# Altium PCB Video_Processing_Board.PcbDoc (part 3 of 3)
Units mm, origin at the board's own origin, x right, y up, seen from the top; angles counter-clockwise.
Board outline 40.63 x 59.74 mm, 6 copper layers (L1[SIG], L2[GND], L3[SIG], L4[PWR], L5[GND], L6[SIG]), stack 1.559 mm thick; 308 components, 259 nets, 1353 pads, 4 vias.
Unrouted connection lines stored in the file: 775.
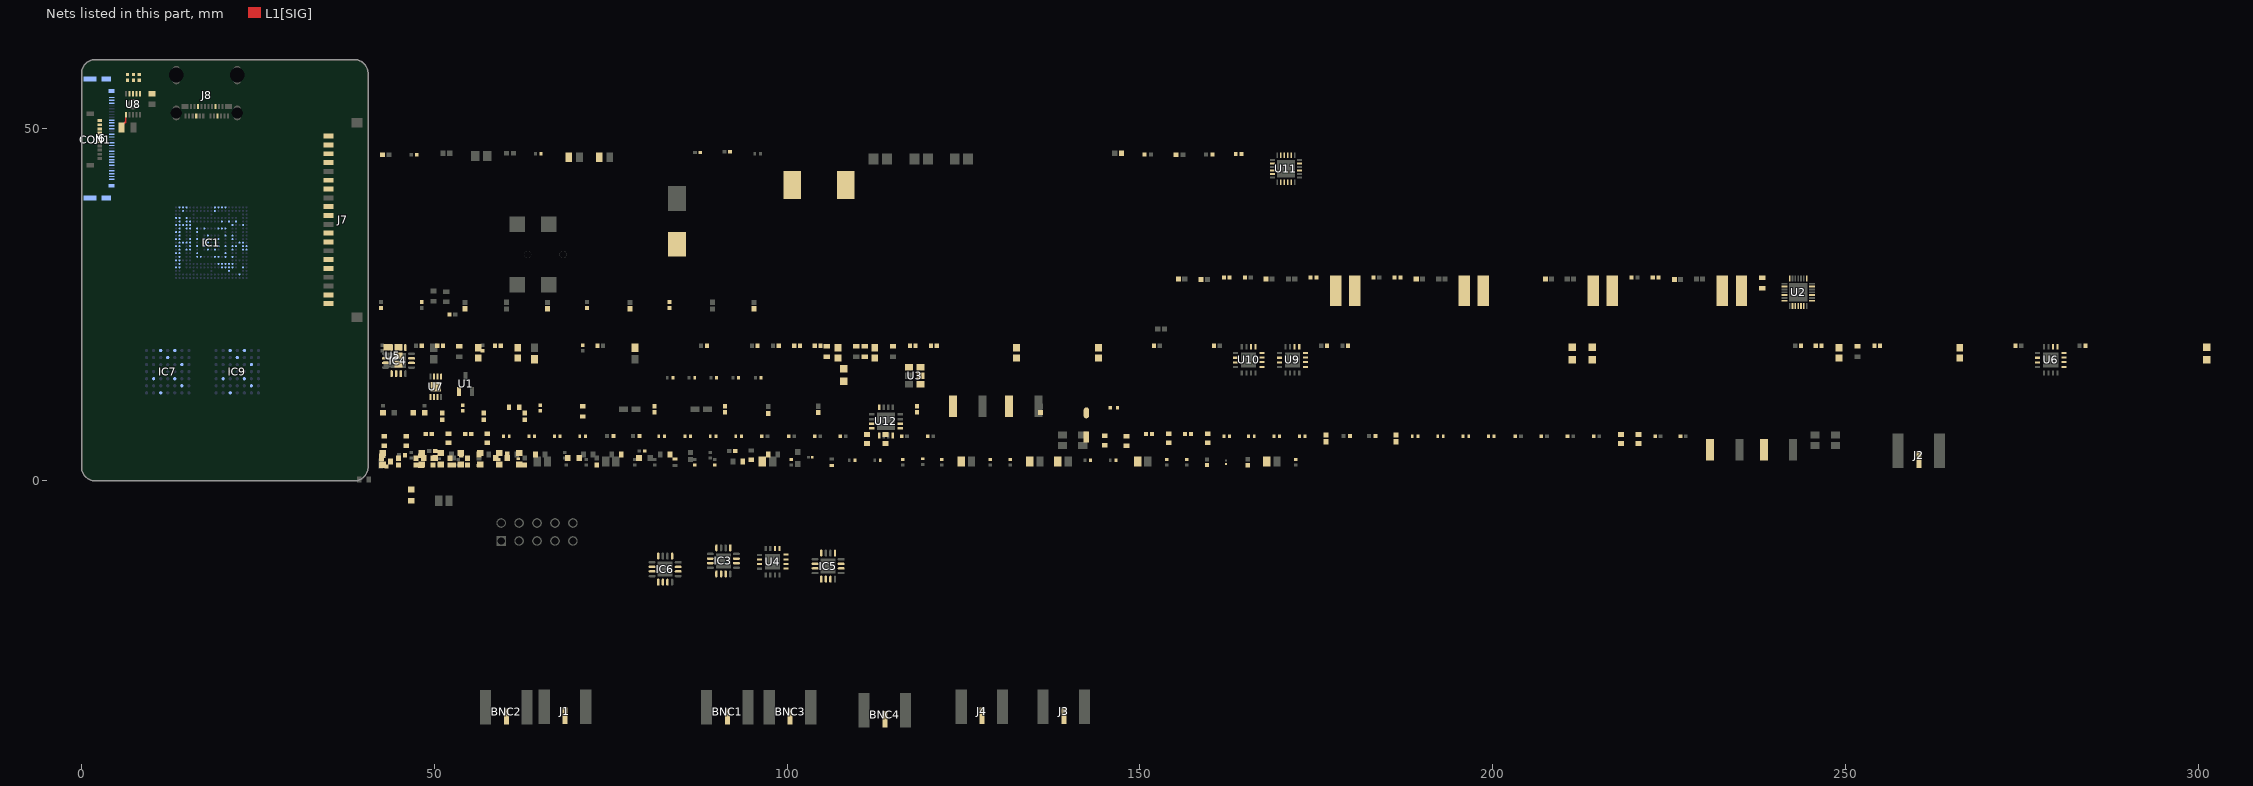
[diagram p3: the nets of this part, all layers, seen from the top]

## Via types
v1: diameter 0.6, hole 0.3, L1[SIG] to L6[SIG], 4 vias

## Nets (pads, with @x,y where several pads share a name; then routed paths per layer and width w, separated by ;. In a path a pad name is that pad's centre, name@x,y a point inside that pad or via, vN(x,y) a via of type N, cw(c..) or ccw(c..) an arc to the next point about the centre after c; other vN are vias at no path point) (continued)
LED2: D6.2 IC1.F2
LFI0: R25.1
LFI1: R38.1
LFI2: R28.1
LFI3: R40.1
LFO0: U4.14
LFO1: U10.14
LFO2: U6.14
LFO3: U9.14
LVDS0_CLK_148_5MHZ_N: IC1.L17 R17.2 U5.5
LVDS0_CLK_148_5MHZ_P: IC1.L18 R17.1 U5.4
LVDS0_CLK_212_5MHZ_N: IC1.N17 R13.2 U3.5
LVDS0_CLK_212_5MHZ_P: IC1.N18 R13.1 U3.4
LVDS_CH0_N: IC1.V8 J7.5
LVDS_CH0_P: IC1.U8 J7.6
LVDS_CH1_N: IC1.W6 J7.8
LVDS_CH1_P: IC1.V6 J7.9
LVDS_CH2_N: IC1.U9 J7.11
LVDS_CH2_P: IC1.R9 J7.12
LVDS_CH3_N: IC1.U5 J7.17
LVDS_CH3_P: IC1.V5 J7.18
LVDS_CK_N: IC1.U7 J7.14
LVDS_CK_P: IC1.V7 J7.15
MCP2221_UART1_RXD: IC1.K5 R83.2 U12.4
MCP2221_UART1_TXD: IC1.J5 R82.2 U12.5
MGTAVTT1V2: L9.2 L13.2 L17.2 L18.2
MIPI_C_N: IC1.A19 J6.7
MIPI_C_P: IC1.A18 J6.6
MIPI_D0_N: IC1.G18 J6.9
MIPI_D0_P: IC1.G17 J6.8
MIPI_D1_N: IC1.D18 J6.4
MIPI_D1_P: IC1.E17 J6.3
MIPI_D2_N: IC1.B19 J6.11
MIPI_D2_P: IC1.A20 J6.10
MIPI_D3_N: IC1.F18 J6.2
MIPI_D3_P: IC1.E18 J6.1
MODE: J7.19
NetBNC1_1: BNC1.1 C27.1 FB1.1 FB3.1
NetBNC2_1: BNC2.1 C43.1 FB5.1 FB6.1
NetBNC3_1: BNC3.1 C29.1 FB2.1 FB4.1
NetBNC4_1: BNC4.1 C45.1 FB7.1 FB8.1
NetC17_1: C17.1 J1.1
NetC17_2: C17.2 U4.11
NetC18_1: C18.1 R16.2
NetC18_2: C18.2 U4.10
NetC21_1: C21.1 R18.2
NetC22_1: C22.1 R19.2
NetC27_2: C27.2 R20.1
NetC28_1: C28.1 IC3.11
NetC28_2: C28.2 IC1.F21
NetC29_2: C29.2 R24.1
NetC30_1: C30.1 IC5.11
NetC30_2: C30.2 IC1.P20
NetC31_1: C31.1 R21.2
NetC31_2: C31.2 R23.1
NetC32_1: C32.1 IC3.10
NetC32_2: C32.2 IC1.F20
NetC33_1: C33.1 R22.2
NetC33_2: C33.2 R26.1
NetC34_1: C34.1 IC5.10
NetC34_2: C34.2 IC1.P21
NetC37_1: C37.1 R32.2
NetC38_1: C38.1 R33.2
NetC43_2: C43.2 R27.1
NetC44_1: C44.1 IC4.11
NetC44_2: C44.2 IC1.H20
NetC45_2: C45.2 R29.1
NetC46_1: C46.1 IC6.11
NetC46_2: C46.2 IC1.T21
NetC47_1: C47.1 R35.2
NetC47_2: C47.2 R30.1
NetC48_1: C48.1 IC4.10
NetC48_2: C48.2 IC1.H21
NetC49_1: C49.1 R37.2
NetC49_2: C49.2 R31.1
NetC50_1: C50.1 IC6.10
NetC50_2: C50.2 IC1.T20
NetC51_1: C51.1 U4.3
NetC51_2: C51.2 IC1.D20
NetC52_1: C52.1 U4.2
NetC52_2: C52.2 IC1.D21
NetC59_1: C59.1 J2.1
NetC59_2: C59.2 U6.11
NetC60_1: C60.1 U6.3
NetC60_2: C60.2 IC1.K20
NetC61_1: C61.1 R39.2
NetC61_2: C61.2 U6.10
NetC62_1: C62.1 U6.2
NetC62_2: C62.2 IC1.K21
NetC74_1: C74.1 J3.1
NetC74_2: C74.2 U9.11
NetC75_1: C75.1 J4.1
NetC75_2: C75.2 U10.11
NetC76_1: C76.1 U9.3
NetC76_2: C76.2 IC1.V21
NetC77_1: C77.1 U10.3
NetC77_2: C77.2 IC1.M20
NetC78_1: C78.1 R47.2
NetC78_2: C78.2 U9.10
NetC79_1: C79.1 R48.2
NetC79_2: C79.2 U10.10
NetC80_1: C80.1 U9.2
NetC80_2: C80.2 IC1.V20
NetC81_1: C81.1 U10.2
NetC81_2: C81.2 IC1.M21
NetC84_1: C84.1 U11.15
NetC84_2: C84.2 R64.2
NetC85_2: C85.2 R67.1 U11.2
NetC124_1: C124.1 C125.1 C126.2
NetC142_1: C142.1 R71.2 U11.17
NetD1_1: D1.1 R72.1
NetD2_1: D2.1 R73.1
NetD3_1: D3.1 R74.1
NetD4_1: D4.1 R75.1
NetD5_1: D5.1 R76.1
NetD6_1: D6.1 R77.1 R78.1
NetD7_2: D7.2 F1.1
NetD10_1: D10.1 R82.1
NetD11_1: D11.1 R83.1
NetFB1_2: FB1.2 FB3.2 L5.1 R18.1
NetFB2_2: FB2.2 FB4.2 L6.1 R19.1
NetFB5_2: FB5.2 FB6.2 L7.1 R32.1
NetFB7_2: FB7.2 FB8.2 L8.1 R33.1
NetIC1_A9: IC1.A9 R12.1 R36.2
NetIC1_A10: IC1.A10 R5.1 R42.2
NetIC1_E8: IC1.E8 R41.2
NetIC1_N2: IC1.N2 IC1.R5 IC1.U6 IC1.V2 IC1.Y3 R58.2
NetIC3_2: IC3.2 R20.2
NetIC3_3: IC3.3 R23.2
NetIC3_5: IC3.5 R25.2
NetIC3_6: IC3.6 RAMP0.2
NetIC3_7: IC3.7 RISE0.2
NetIC4_2: IC4.2 R27.2
NetIC4_3: IC4.3 R30.2
NetIC4_5: IC4.5 R38.2
NetIC4_6: IC4.6 RAMP1.2
NetIC4_7: IC4.7 RISE1.2
NetIC5_2: IC5.2 R24.2
NetIC5_3: IC5.3 R26.2
NetIC5_5: IC5.5 R28.2
NetIC5_6: IC5.6 RAMP2.2
NetIC5_7: IC5.7 RISE2.2
NetIC6_2: IC6.2 R29.2
NetIC6_3: IC6.3 R31.2
NetIC6_5: IC6.5 R40.2
NetIC6_6: IC6.6 RAMP3.2
NetIC6_7: IC6.7 RISE3.2
NetJ6_P1: J6.P1 J6.P2 J6.P3 J6.P4 J6.P5 J6.P6
NetL1_1: L1.1 U2.2
NetL2_1: L2.1 U2.5
NetL3_1: L3.1 U2.17
NetL4_1: L4.1 U2.20
NetL10_1: L10.1 U11.8 U11.9 U11.10 U11.11 U11.20 U11.21 U11.22 U11.23
NetR1_1: R1.1 U2.9
NetR2_1: R2.1 R3.1 U2.28
NetR6_1: R6.1 R7.1 U2.15
NetR8_1: R8.1 R9.1 U2.22
NetR10_1: R10.1 R11.1 U2.11
NetR14_2: R14.2 U3.1
NetR15_2: R15.2 U1.1
NetR34_2: R34.2 U5.1
NetR44_1: R44.1 U7.7
NetR45_1: R45.1 U7.3
NetR50_2: R50.2 U7.9
NetR55_1: R55.1 R56.1 U2.7
NetR57_1: R57.1 U8.7
NetR60_1: R60.1 U8.6
NetR65_1: R65.1 U11.5
NetR66_1: R66.1 U11.4
NetR79_1: R79.1 U12.3
NetR80_2: R80.2 U12.9
NetR81_2: R81.2 U12.8
POWER_OUT: CON1.5 CON1.6
SC: J7.20
SC_SPI_CS#: IC1.A7 R46.1 U7.1
SC_SPI_SCK: IC1.G9 R49.2 U7.6
SC_SPI_SDI: IC1.B10 U7.2
SC_SPI_SDO: IC1.A8 U7.5
SCL_SPARE_3.3V: IC1.M5 J6.22
SDA_SPARE_3.3V: IC1.N5 J6.21
Sense1+: C86.1 CON1.1 CON1.2 CON1.3 CON1.4 D7.1 R54.1 U8.1 | length 2
  L1[SIG] w0.2: R54.1@5.7,50.1 5.7,50.35 6.24,50.89 6.24,51.2 6.3,51.26 U8.1@6.3,51.9
Spare_GPIO_3.3V_1: IC1.N1 J6.13
Spare_GPIO_3.3V_2: IC1.M1 J6.14
Spare_GPIO_3.3V_3: IC1.M2 J6.16
Spare_GPIO_3.3V_4: IC1.L2 J6.17
Spare_GPIO_3.3V_5: IC1.M4 J6.19
Spare_GPIO_3.3V_6: IC1.L3 J6.20
VBUS: F1.2 J8.A4 J8.A9 J8.B4 J8.B9
VCC1V0: C88.2 C89.2 C90.2 C91.2 C92.2 C93.1 C107.2 C108.1 C109.1 C110.1 C111.1 C136.2 C138.2 C139.1 C140.1 IC1.G20 IC1.H15 IC1.J12 IC1.J20 IC1.K9 IC1.K11 IC1.K13 IC1.K15 IC1.L10 IC1.L12 IC1.M11 IC1.M13 IC1.M15 IC1.N10 IC1.N12 IC1.N20 IC1.R20 IC1.U20 L10.2 R68.2
VCC1V2: C7.1 C16.1 C23.1 C24.1 C25.1 C26.1 C39.1 C40.1 C41.1 C42.1 C53.2 C58.1 C63.2 C67.1 C72.1 C73.1 C82.2 C83.2 IC3.13 IC3.16 IC4.13 IC4.16 IC5.13 IC5.16 IC6.13 IC6.16 L3.2 L9.1 L13.1 L17.1 L18.1 R6.2 RAMP0.1 RAMP1.1 RAMP2.1 RAMP3.1 RISE0.1 RISE1.1 RISE2.1 RISE3.1 U4.9 U4.12 U6.9 U6.12 U9.9 U9.12 U10.9 U10.12
VCC1V8: C9.1 C69.1 C94.2 C95.2 C96.1 C97.1 D4.2 IC1.P7 IC1.P15 IC1.R10 IC1.R14 IC7.B5 IC7.C1 IC7.C7 IC7.D2 IC7.E1 IC7.E5 IC7.F3 IC7.F6 IC9.B5 IC9.C1 IC9.C7 IC9.D2 IC9.E1 IC9.E5 IC9.F3 IC9.F6 L4.2 R8.2
VCC2V5: C5.1 C66.1 C98.2 C99.2 C100.2 C101.2 C102.2 C103.1 C104.2 C105.2 C106.1 C112.2 C113.2 C114.1 D3.2 IC1.E6 IC1.F17 IC1.G7 IC1.G8 IC1.G13 IC1.G15 IC1.L19 IC1.L20 IC1.M9 IC1.R7 IC1.R15 L2.2 R55.2
VCC2V5_0.25A: C11.1 R10.2 R63.2 U2.12
VCC3V3: C3.1 C10.1 C12.2 C15.2 C54.2 C57.2 C64.1 C70.2 C71.2 C115.2 C116.2 C117.1 C137.1 C143.2 C144.2 C147.1 C148.1 C149.1 D2.2 D10.2 D11.2 IC1.J7 IC1.M7 J6.28 J6.29 J6.30 J7.1 J7.2 L1.2 R1.2 R2.2 R14.1 R34.1 R57.2 R61.2 R62.2 R76.2 R77.2 R78.2 R79.2 U2.10 U2.13 U3.6 U4.13 U5.6 U6.13 U9.13 U10.13 U12.10 U12.16
VDD25: C130.2 C131.2 C132.1 IC1.K17 IC1.M17
VDD_MEAS_SCL: IC1.F5 R61.1 R80.1 U8.9
VDD_MEAS_SDA: IC1.E4 R62.1 R81.1 U8.8
XCVR_VREF: IC1.E20 IC1.F19 R59.2
pads on no net: "POWER IN1.MH1" "POWER IN1.MH2" IC1.A2 IC1.A3 IC1.A4 IC1.A5 IC1.A12 IC1.A13 IC1.A14 IC1.A15 IC1.A17 IC1.AA2 IC1.AA3 IC1.AA4 IC1.AA5 IC1.AA12 IC1.B1 IC1.B2 IC1.B4 IC1.B5 IC1.B6 IC1.B7 IC1.B9 IC1.B11 IC1.B12 IC1.B14 IC1.B15 IC1.B16 IC1.B17 IC1.B20 IC1.B21 IC1.C1 IC1.C2 IC1.C6 IC1.C11 IC1.C16 IC1.D1 IC1.D5 IC1.D6 IC1.D7 IC1.D11 IC1.D12 IC1.D13 IC1.D15 IC1.D16 IC1.D17 IC1.E1 IC1.E5 IC1.E7 IC1.E12 IC1.E13 IC1.E14 IC1.E15 IC1.F3 IC1.F4 IC1.G1 IC1.G2 IC1.G4 IC1.G12 IC1.H1 IC1.H4 IC1.H5 IC1.J1 IC1.J2 IC1.J17 IC1.J18 IC1.K1 IC1.K2 IC1.K4 IC1.K7 IC1.L4 IC1.L7 IC1.N7 IC1.P1 IC1.P2 IC1.P4 IC1.P5 IC1.R1 IC1.R2 IC1.R4 IC1.T2 IC1.T3 IC1.T4 IC1.T5 IC1.T17 IC1.T18 IC1.U1 IC1.U2 IC1.U4 IC1.V1 IC1.W1 IC1.W2 IC1.Y1 IC1.Y2 IC1.Y4 IC1.Y5 IC1.Y12 IC3.8 IC3.14 IC3.15 IC4.8 IC4.14 IC4.15 IC5.8 IC5.14 IC5.15 IC6.8 IC6.14 IC6.15 IC7.A1 IC7.A2 IC7.A3 IC7.A6 IC7.B1 IC7.B6 IC7.C3 IC7.C6 IC7.D7 IC7.E7 IC7.G4 IC9.A1 IC9.A2 IC9.A3 IC9.A6 IC9.B1 IC9.B6 IC9.C3 IC9.C6 IC9.D7 IC9.E7 IC9.G4 J5.4 J5.7 J8.A2 J8.A3 J8.A8 J8.A10 J8.A11 J8.B2 J8.B3 J8.B8 J8.B10 J8.B11 U3.2 U4.4 U4.5 U4.6 U4.8 U4.15 U4.16 U5.2 U6.4 U6.5 U6.6 U6.8 U6.15 U6.16 U8.3 U8.4 U9.4 U9.5 U9.6 U9.8 U9.15 U9.16 U10.4 U10.5 U10.6 U10.8 U10.15 U10.16 U12.1 U12.2 U12.6 U12.7 U12.14 U12.15 U12.17

## Polygon pours and split planes (outlines as drawn)
Sense1+ on Board Outline "NONET_L-01_P-001" (solid, remove dead copper): 2.3,51.1 2.302,51.098 2.302,49.1 5.7,49.1 5.7,51.3 2.302,51.3

## Silkscreen, mask and mechanical layers (free items; w line width, h text height)
Top Overlay:
  drawing of 7 lines, arcs and shapes, not listed
  text "Diaconu and Pleșan" at 1.3,1.32 h0.5
Board Description:
  drawing of 282 lines, arcs and shapes, not listed
  text "Layer" at -173.146,150.642 h1.52
  text "Name" at -166.771,150.642 h1.52
  text "Material" at -154.448,150.642 h1.52
  text "Thickness" at -143.373,150.642 h1.52
  text "Constant" at -134.276,150.642 h1.52
  text "Board Layer Stack" at -125.855,150.642 h1.52
  text "Top Overlay" at -166.771,147.594 h1.52
  text "Top Solder" at -166.771,144.546 h1.52
  text "Solder Resist" at -154.448,144.546 h1.52
  text "0,020mm" at -143.373,144.546 h1.52
  text "3.8" at -134.276,144.546 h1.52
  text "1" at -173.146,141.498 h1.52
  text "L1[SIG]" at -166.771,141.498 h1.52
  text "CF-004" at -154.448,141.498 h1.52
  text "0,018mm" at -143.373,141.498 h1.52
  text "Dielectric 1" at -166.771,138.45 h1.52
  text "PP-015" at -154.448,138.45 h1.52
  text "0,165mm" at -143.373,138.45 h1.52
  text "4.7" at -134.276,138.45 h1.52
  text "2" at -173.147,135.402 h1.52
  text "L2[GND]" at -166.771,135.402 h1.52
  text "0,035mm" at -143.373,135.402 h1.52
  text "Dielectric 2" at -166.771,132.354 h1.52
  text "Core-024" at -154.448,132.354 h1.52
  text "0,356mm" at -143.373,132.354 h1.52
  text "4.7" at -134.276,132.354 h1.52
  text "3" at -173.146,129.306 h1.52
  text "L3[SIG]" at -166.771,129.306 h1.52
  text "0,035mm" at -143.373,129.306 h1.52
  text "Dielectric 3" at -166.771,126.258 h1.52
  text "PP-017" at -154.448,126.258 h1.52
  text "0,356mm" at -143.373,126.258 h1.52
  text "4.7" at -134.276,126.258 h1.52
  text "4" at -173.146,123.21 h1.52
  text "L4[PWR]" at -166.771,123.21 h1.52
  text "CF-004" at -154.448,123.21 h1.52
  text "0,035mm" at -143.373,123.21 h1.52
  text "Dielectric 4" at -166.771,120.162 h1.52
  text "Core-024" at -154.448,120.162 h1.52
  text "0,356mm" at -143.373,120.162 h1.52
  text "4.7" at -134.276,120.162 h1.52
  text "5" at -173.146,117.114 h1.52
  text "L5[GND]" at -166.771,117.114 h1.52
  text "CF-004" at -154.448,117.114 h1.52
  text "0,035mm" at -143.373,117.114 h1.52
  text "Dielectric 5" at -166.771,114.066 h1.52
  text "PP-015" at -154.448,114.066 h1.52
  text "0,152mm" at -143.373,114.066 h1.52
  text "4.7" at -134.276,114.066 h1.52
  text "6" at -173.146,111.018 h1.52
  text "L6[SIG]" at -166.771,111.018 h1.52
  text "CF-004" at -154.448,111.018 h1.52
  text "0,018mm" at -143.373,111.018 h1.52
  text "Bottom Solder" at -166.771,107.97 h1.52
  text "Solder Resist" at -154.448,107.97 h1.52
  text "0,020mm" at -143.373,107.97 h1.52
  text "3.8" at -134.276,107.97 h1.52
  text "Bottom Overlay" at -166.771,104.922 h1.52
  text "Total board thickness:" at -173.146,101.874 h1.52
  text "1,600mm" at -143.373,101.874 h1.52
  text "Mechanical Layer Assignment" at -185.461,55.056 h2
  text "File Extension" at -185.461,52.056 h2
  text "Layer" at -173.461,52.056 h2
  text "File Extension" at -149.461,52.056 h2
  text "Layer" at -137.461,52.056 h2
  text "File Extension" at -113.461,52.056 h2
  text "Layer" at -101.461,52.056 h2
  text ".GM1" at -183.461,49.056 h2
  text "Board Outline" at -173.461,49.056 h2
  text ".GM9" at -147.461,49.056 h2
  text "Top Assembly Description" at -137.461,49.056 h2
  text ".GM17" at -111.461,49.056 h2
  text "Top Sheet PCB_Docu" at -101.461,49.056 h2
  text ".GM2" at -183.461,46.056 h2
  text "Board Contours" at -173.461,46.056 h2
  text ".GM10" at -147.461,46.056 h2
  text "Bottom Assembly Description" at -137.461,46.056 h2
  text ".GM18" at -111.461,46.056 h2
  text "Bottom Sheet PCB_Docu" at -101.461,46.056 h2
  text ".GM3" at -183.461,43.056 h2
  text "Board Dimensions" at -173.461,43.056 h2
  text ".GM11" at -147.461,43.056 h2
  text "Top Via Filling Cut-Out" at -137.461,43.056 h2
  text ".GM19" at -111.461,43.056 h2
  text "Top Coating" at -101.461,43.056 h2
  text ".GM4" at -183.461,40.056 h2
  text "Board Description" at -173.461,40.056 h2
  text ".GM12" at -147.461,40.056 h2
  text "Bottom Via Filling Cut-Out" at -137.461,40.056 h2
  text ".GM20" at -111.461,40.056 h2
  text "Bottom Coating" at -101.461,40.056 h2
  text ".GM5" at -183.461,37.056 h2
  text "Top Manufacturer Info" at -173.461,37.056 h2
  text ".GM13" at -147.461,37.056 h2
  text "Top Assembly" at -137.461,37.056 h2
  text ".GM21" at -111.461,37.056 h2
  text "Top Test Points" at -101.461,37.056 h2
  text ".GM6" at -183.461,34.056 h2
  text "Bottom Manufacturer Info" at -173.461,34.056 h2
  text ".GM14" at -147.461,34.056 h2
  text "Bottom Assembly" at -137.461,34.056 h2
  text ".GM22" at -111.461,34.056 h2
  text "Bottom Test Points" at -101.461,34.056 h2
  text ".GM7" at -183.461,31.056 h2
  text "Top Label" at -173.461,31.056 h2
  text ".GM15" at -147.461,31.056 h2
  text "Top Place Outline" at -137.461,31.056 h2
  text ".GM24" at -111.461,31.056 h2
  text "Additional Descriptions" at -101.461,31.056 h2
  text ".GM8" at -183.461,28.056 h2
  text "Bottom Label" at -173.461,28.056 h2
  text ".GM16" at -147.461,28.056 h2
  text "Bottom Place Outline" at -137.461,28.056 h2
  text ".GM25" at -111.461,28.056 h2
  text "Additional Dimensions" at -101.461,28.056 h2
Top Sheet PCB_Docu:
  drawing of 1874 lines, arcs and shapes, not listed
  text "1" at -160.847,87.443 h1.78
  text "2" at -88.203,87.443 h1.78
  text "3" at -15.051,87.443 h1.78
  text "4" at 57.847,87.443 h1.78
  text "A" at -195.188,64.431 h1.78
  text "A" at 91.832,64.431 h1.78
  text "B" at -195.188,16.374 h1.78
  text "B" at 91.832,16.374 h1.78
  text "C" at -195.188,-32.14 h1.78
  text "C" at 91.832,-32.14 h1.78
  text "ENGINEER:" at -23.103,-69.148 h1.14
  text "TITLE:" at 14.997,-69.148 h1.14
  text "Doru Diaconu" at -21.833,-72.325 h1.78
  text ".Printout_Name" at 32.668,-74.519 h2.5
  text "PCB DESIGNER:" at -23.103,-76.641 h1.14
  text "Stefan Plesan" at -21.833,-80.07 h1.78
  text "D" at -195.188,-80.146 h1.78
  text "D" at 91.832,-80.146 h1.78
  text "DATE:" at -23.103,-84.388 h1.14
  text "PART NO.:" at 14.997,-84.388 h1.14
  text "REV:" at 68.337,-84.388 h1.14
  text "A" at 77.05,-86.238 h1.78
  text "Altium Limited" at -56.123,-86.928 h1.78
  text ".PRINT_DATE" at -21.833,-87.436 h1.78
  text "12a Rodborough Rd" at -56.123,-89.468 h1.78
  text "Frenchs Forest" at -56.123,-92.008 h1.78
  text "FILE NAME:" at -23.103,-92.008 h1.14
  text "DWG NO:" at 14.997,-92.008 h1.14
  text "SCALE:" at 68.337,-92.008 h1.14
  text "NSW 2086" at -56.123,-94.548 h1.78
  text ".PCB_FILE_NAME_NO_PATH" at -21.833,-95.056 h1.78
  text "1" at -160.847,-100.517 h1.78
  text "2" at -88.203,-100.517 h1.78
  text "3" at -15.051,-100.517 h1.78
  text "4" at 57.847,-100.517 h1.78
Bottom Sheet PCB_Docu:
  drawing of 1874 lines, arcs and shapes, not listed
  text "4" at -159.932,87.443 h1.78
  text "3" at -87.034,87.443 h1.78
  text "2" at -13.882,87.443 h1.78
  text "1" at 58.762,87.443 h1.78
  text "A" at -193.918,64.431 h1.78
  text "A" at 93.102,64.431 h1.78
  text "B" at -193.918,16.374 h1.78
  text "B" at 93.102,16.374 h1.78
  text "C" at -193.918,-32.14 h1.78
  text "C" at 93.102,-32.14 h1.78
  text "TITLE:" at -117.083,-69.148 h1.14
  text "ENGINEER:" at -78.983,-69.148 h1.14
  text "Doru Diaconu" at -80.253,-72.551 h1.78
  text ".Printout_Name" at -134.973,-74.463 h2.5
  text "PCB DESIGNER:" at -78.983,-76.641 h1.14
  text "Stefan Plesan" at -80.253,-79.946 h1.78
  text "D" at -193.918,-80.146 h1.78
  text "D" at 93.102,-80.146 h1.78
  text "REV:" at -170.423,-84.388 h1.14
  text "PART NO.:" at -117.083,-84.388 h1.14
  text "DATE:" at -78.983,-84.388 h1.14
  text "A" at -179.466,-86.644 h1.78
  text "Altium Limited" at -45.963,-86.928 h1.78
  text ".PRINT_DATE" at -80.253,-87.436 h1.78
  text "12a Rodborough Rd" at -45.963,-89.468 h1.78
  text "SCALE:" at -170.423,-92.008 h1.14
  text "DWG NO:" at -117.083,-92.008 h1.14
  text "FILE NAME:" at -78.983,-92.008 h1.14
  text "Frenchs Forest" at -45.963,-92.008 h1.78
  text "NSW 2086" at -45.963,-94.548 h1.78
  text ".PCB_FILE_NAME_NO_PATH" at -80.253,-95.056 h1.78
  text "4" at -159.932,-100.517 h1.78
  text "3" at -87.034,-100.517 h1.78
  text "2" at -13.882,-100.517 h1.78
  text "1" at 58.762,-100.517 h1.78

## Text inside footprints (layer, text, board x,y; h text height)
IC1: Bottom Overlay "AA" at 26.439,28.145 h1.27; Bottom Overlay "A" at 25.169,38.145 h1.27; Bottom Overlay "21" at 12.765,39.914 h1.27 r270; Bottom Overlay "1" at 22.765,39.914 h1.27 r270
IC7: Bottom Overlay "7" at 7.586,11.857 h1.27; Bottom Overlay "1" at 7.586,17.857 h1.27; Bottom Overlay "G" at 15.856,20.762 h1.27 r90; Bottom Overlay "A" at 9.856,20.762 h1.27 r90
IC9: Bottom Overlay "A" at 19.714,20.762 h1.27 r90; Bottom Overlay "G" at 25.714,20.762 h1.27 r90; Bottom Overlay "1" at 17.443,17.857 h1.27; Bottom Overlay "7" at 17.443,11.857 h1.27
U11: Top Assembly "*" at 168.872,45.117 h1.27; Top Overlay "*" at 167.48,45.117 h1.27